# Altium PCB PCB1.PcbDoc (part 4 of 5)
Units mm, origin at the board's own origin, x right, y up, seen from the top; angles counter-clockwise.
Board outline 200 x 70 mm, 6 copper layers (Top Layer, Int1 (GND), Int2 (Sign), Int3 (Sign), Int4 (GND), Bottom Layer), stack 1.597 mm thick; 431 components, 275 nets, 1294 pads, 544 vias.
Unrouted connection lines stored in the file: 265.
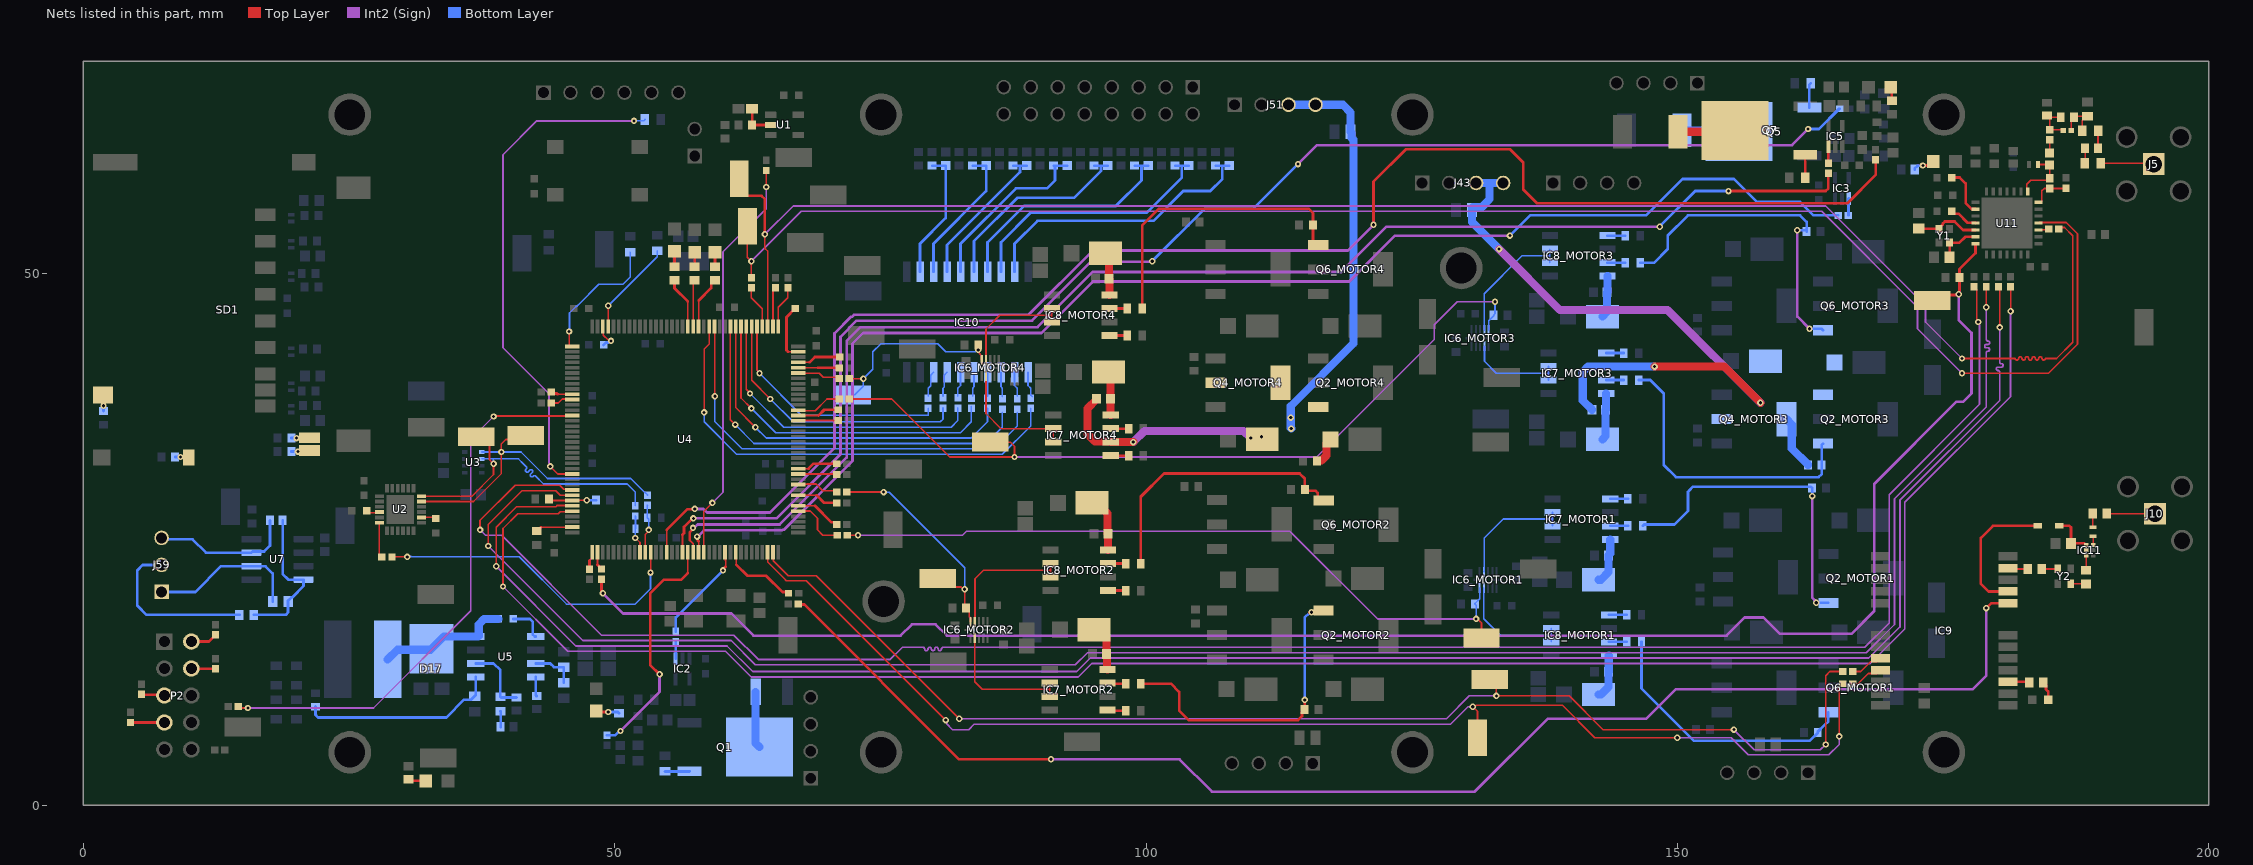
[diagram p8: the nets of this part, all layers, seen from the top]

## Via types
v1: diameter 0.6, hole 0.3, Top Layer to Bottom Layer, 518 vias
v2: diameter 0.5, hole 0.2, Top Layer to Bottom Layer, 20 vias
v3: diameter 0.4, hole 0.2, Top Layer to Bottom Layer, 6 vias

## Nets (pads, with @x,y where several pads share a name; then routed paths per layer and width w, separated by ;. In a path a pad name is that pad's centre, name@x,y a point inside that pad or via, vN(x,y) a via of type N, cw(c..) or ccw(c..) an arc to the next point about the centre after c; other vN are vias at no path point) (continued)
HOT_R_MOTOR3: C32_MOTOR3.2 C55_MOTOR3.1 D14_MOTOR3.2 D16_MOTOR3.1 IC7_MOTOR3.6 J43.03 J43.04 Q2_MOTOR3.3 Q4_MOTOR3.2 Q4_MOTOR3.4 R25_MOTOR3.1 | length 68.8
  Top Layer w0.762: v1(147.862,41.269) 154.41,41.269 v1(157.813,37.866)
  Int2 (Sign) w0.762: v1(133.223,52.324) 138.938,46.609 149.07,46.609 v1(157.813,37.866)
  Bottom Layer w0.762: C32_MOTOR3.2@130.671,56.007 130.683,55.995 130.683,54.864 v1(133.223,52.324) ; C32_MOTOR3.2@130.671,56.207 130.765,56.301 131.612,56.301 132.334,57.023 132.334,58.547 ; J43.03@131.064,58.547 132.334,58.547 ; J43.04@133.604,58.547 132.334,58.547 ; C55_MOTOR3.1@141.956,37.211 141.956,37.236 141.097,38.095 141.097,40.767 141.605,41.275 IC7_MOTOR3.6@143.301,41.275 147.856,41.275 v1(147.862,41.269) ; Q4_MOTOR3.4@160.276,36.322 160.764,35.834 160.764,33.554 162.276,32.042 R25_MOTOR3.1@162.276,32.004
HOT_R_MOTOR4: C32_MOTOR4.2 C55_MOTOR4.1 D14_MOTOR4.2 D16_MOTOR4.1 IC7_MOTOR4.6 J51.03 J51.04 Q2_MOTOR4.3 Q4_MOTOR4.2 Q4_MOTOR4.4 R25_MOTOR4.1 | length 62.7
  Top Layer w0.762: C55_MOTOR4.1@95.362,38.227 95.362,38.202 94.488,37.328 94.488,34.925 95.194,34.219 96.636,34.219 IC7_MOTOR4.6@96.692,34.163 v1(98.806,34.163) ; v1(110.871,34.671) 110.871,34.484 D16_MOTOR4.1@110.938,34.417 ; R25_MOTOR4.1@116.093,32.385 116.093,32.423 116.099,32.429 116.521,32.429 117.001,32.909 117.001,34.048 D14_MOTOR4.2@117.37,34.417
  Int2 (Sign) w0.762: v1(98.806,34.163) 99.868,35.225 109.174,35.225 v1(109.855,34.544) 109.982,34.671 v1(110.871,34.671)
  Bottom Layer w0.762: J51.03@113.411,65.913 118.531,65.913 119.253,65.191 C32_MOTOR4.2@119.253,63.373 119.347,63.279 119.347,62.793 119.507,62.633 119.507,43.434 113.617,37.544 v1(113.617,36.469) 113.617,35.481 v1(113.665,35.433)
IBAT_FB: IC2.1 R71.2 | length 1.6
  Bottom Layer w0.254: IC2.1@55.738,13.777 55.738,15.364 R71.2@55.753,15.379
IBAT_MOTOR1_FB: IC3.1 R74.2 | length 1.6
  Bottom Layer w0.254: R74.2@166.083,55.499 166.107,55.523 166.107,57.065 IC3.1@166.131,57.089
IBAT_MOTOR2_FB: IC5.1 R77.2 | length 1.6
  Top Layer w0.254: R77.2@164.211,60.419 IC5.1@164.211,61.981
INT_IMU: R45.2 U2.12 | length 3.3
  Top Layer w0.156: U2.12@27.855,26.58 27.855,23.613 R45.2@28.1,23.368
LED_M12: R102.2 U4.90 | length 4.9
  Top Layer w0.156: U4.90@56.892,45.042 56.892,47.375
  Top Layer w0.254: R102.2@55.626,49.413 55.626,48.641 56.892,47.375
LED_M34: R101.2 U4.89 | length 4.4
  Top Layer w0.156: U4.89@57.392,45.042 R101.2@57.392,49.274
  Top Layer w0.254: R101.2@57.392,49.274 R101.2@57.531,49.413
LED_SEQ: R100.2 U4.88 | length 5
  Top Layer w0.156: U4.88@57.912,45.062 57.912,47.498
  Top Layer w0.254: 57.912,47.498 59.088,48.674 59.088,49.14 59.361,49.413 R100.2@59.436,49.413
MISO_RADIO: J42.1 R53.1 U4.75 | length 160.5
  Top Layer w0.156: v1(64.135,53.721) 64.135,52.406 64.392,52.149 U4.75@64.392,45.259 ; v1(176.784,42.037) 181.483,42.037 181.797,42.037 ccw(c181.955,42.037) 182.112,42.037 cw(c182.269,42.037) 182.426,42.037 ccw(c182.583,42.037) 182.74,42.037 cw(c182.898,42.037) 183.055,42.037 ccw(c183.212,42.037) 183.369,42.037 cw(c183.526,42.037) 183.683,42.037 ccw(c183.841,42.037) 183.998,42.037 cw(c184.155,42.037) 184.312,42.037 ccw(c184.469,42.037) 184.627,42.037 184.785,42.037 185.674,42.037 187.198,43.561 187.198,53.594 186.436,54.356 186.022,54.356 R53.1@185.895,54.229
  Top Layer w0.254: J42.1@61.722,58.928 61.722,58.103 62.485,57.34 63.818,57.34 64.135,57.023 v1(64.135,53.721)
  Int2 (Sign) w0.159: v1(64.135,53.721) 66.802,56.388 163.957,56.388 173.355,46.99 173.355,45.466 v1(176.784,42.037)
MOSI_RADIO: J50.1 R54.2 U11.18 | length 154.9
  Top Layer w0.156: J50.1@62.484,54.483 62.484,51.562 v1(62.865,51.181) R54.2@62.865,49.624 ; v1(176.784,40.64) 184.922,40.64 187.654,43.372 187.654,53.783 186.605,54.832 184.054,54.832 U11.18@184.004,54.782
  Int2 (Sign) w0.159: v1(62.865,51.181) 67.564,55.88 163.576,55.88 172.593,46.863 172.593,44.831 v1(176.784,40.64)
NetC3_1: C3.1 D17.3 L2.1 U5.8 | length 12.6
  Bottom Layer w0.762: L2.1@28.639,13.716 29.553,14.63 32.68,14.63 D17.3@32.766,14.716 33.925,15.875 U5.8@36.926,15.875 37.155,15.875 37.211,15.931 37.211,17.018 37.719,17.526 C3.1@39.051,17.526
NetC3_2: C3.2 U5.1 | length 3.5
  Bottom Layer w0.254: C3.2@40.451,17.526 42.037,17.526 42.291,17.272 42.291,16.073 42.489,15.875 U5.1@42.576,15.875
NetC5_1: C5.1 U2.20 | length 1.4
  Top Layer w0.156: U2.20@31.805,27.08 C5.1@33.031,27.08
  Top Layer w0.254: C5.1@33.031,27.08 C5.1@33.147,26.964
NetC6_1: C6.1 U2.10 | length 1.2
  Top Layer w0.156: C6.1@26.85,27.506 27.287,27.506 27.314,27.533 27.808,27.533 U2.10@27.855,27.58
  Top Layer w0.254: C6.1@26.67,27.686 C6.1@26.776,27.58
NetC17_2: C17.2 U4.106 | length 2.6
  Top Layer w0.156: U4.106@48.894,45.04 48.932,45.002 48.932,44.224 49.384,43.773 49.572,43.773 v1(49.657,43.688)
  Bottom Layer w0.254: C17.2@48.96,43.307 49.183,43.53 49.405,43.53 49.563,43.688 v1(49.657,43.688)
NetC18_2: C18.2 U4.71 | length 5.4
  Top Layer w0.156: 66.316,42.667 U4.71@67.267,42.667
  Top Layer w0.254: 66.316,42.667 66.167,42.816 66.167,45.912 C18.2@66.991,46.736
NetC30_2: C30.2 D12.1 IC11.4 IC11.5 | length 4.7
  Top Layer w0.165: IC11.5@188.468,23.995 IC11.4@188.468,24.467
  Top Layer w0.254: D12.1@185.912,26.289 186.885,26.289 187.034,26.14 C30.2@187.034,24.638 188.297,24.638 IC11.4@188.468,24.467
NetC33_1: C33.1 C38.1 L4.2 L5.1 | length 3.9
  Top Layer w0.156: C38.1@184.785,64.897 C38.1@184.947,64.735 ; C33.1@186.07,64.735 C38.1@184.947,64.735 ; L5.1@186.309,63.465 186.211,63.563 L4.2@185.039,63.563 185.039,64.643 C38.1@184.947,64.735
NetC33_2: C33.2 C39.2 L5.2 R41.1 | length 4.2
  Top Layer w0.156: L5.2@187.066,63.465 187.066,64.491 C33.2@187.31,64.735 187.402,64.827 C39.2@188.505,64.827 ; R41.1@188.099,63.465 188.099,64.421 C39.2@188.505,64.827 ; C39.2@188.595,64.827 C39.2@188.505,64.827
NetC34_1: C34.1 L6.2 U11.21 | length 3.7
  Top Layer w0.156: U11.21@184.004,56.732 184.229,56.732 184.301,56.804 184.301,57.809 184.514,58.022 186.517,58.022 L6.2@186.563,58.068
NetC34_2: C34.2 C37.2 L3.2 U11.22 | length 5.4
  Top Layer w0.156: U11.22@182.979,57.757 182.979,57.857 182.886,57.95 182.886,58.426 183.25,58.79 184.827,58.79 C34.2@185.039,59.002 C37.2@185.039,60.223 184.972,60.29 L3.2@183.94,60.29
NetC36_1: C36.1 R41.2 | length 1.7
  Top Layer w0.156: C36.1@189.576,61.814 189.576,63.442 R41.2@189.599,63.465
NetC36_2: C36.2 R42.1 | length 1.4
  Top Layer w0.156: R42.1@188.353,60.417 188.376,60.44 C36.2@188.376,61.814
NetC37_1: C37.1 L4.1 | length 1.2
  Top Layer w0.156: C37.1@185.039,61.373 L4.1@185.039,62.605
NetC40_2: C40.2 U11.6 Y1.3 | length 4
  Top Layer w0.254: C40.2@175.604,51.562 175.625,51.583 Y1.3@175.625,52.929 176.538,52.929 177.091,53.482 U11.6@178.054,53.482
NetC41_2: C41.2 U11.5 Y1.1 | length 6.1
  Top Layer w0.254: C41.2@172.72,54.266 172.757,54.229 Y1.1@174.625,54.229 174.625,54.279 174.973,54.627 174.973,54.739 175.165,54.931 176.097,54.931 176.896,54.132 U11.5@178.054,54.132
NetC46_1: C46.1 U11.4 | length 2.7
  Top Layer w0.254: C46.1@175.833,55.88 176.056,55.657 176.446,55.657 177.298,54.805 178.031,54.805 U11.4@178.054,54.782
NetC47_1: C47.1 U11.2 | length 4.5
  Top Layer w0.254: C47.1@175.833,59.055 176.564,59.055 177.129,58.49 177.129,56.67 177.694,56.105 178.031,56.105 U11.2@178.054,56.082
NetC53_2: C53.2 R107.1 U1.2 | length 3.3
  Top Layer w0.254: C53.2@62.935,65.532 62.944,65.523 R107.1@62.944,64.008 U1.2@64.677,64.008
NetC55_MOTOR1_2: C55_MOTOR1.2 D5_MOTOR1.1 IC7_MOTOR1.8 | length 4.4
  Bottom Layer w0.762: D5_MOTOR1.1@142.561,21.209 142.806,21.209 143.525,21.928 C55_MOTOR1.2@143.525,23.495 143.525,23.52 143.682,23.677 IC7_MOTOR1.8@143.682,25.019
NetC55_MOTOR2_2: C55_MOTOR2.2 D5_MOTOR2.1 IC7_MOTOR2.8 | length 4.5
  Top Layer w0.762: D5_MOTOR2.1@95.123,16.51 95.562,16.51 96.281,15.791 C55_MOTOR2.2@96.281,14.224 96.325,14.18 96.325,12.799 IC7_MOTOR2.8@96.375,12.749
NetC55_MOTOR3_2: C55_MOTOR3.2 D5_MOTOR3.1 IC7_MOTOR3.8 | length 4.5
  Bottom Layer w0.762: D5_MOTOR3.1@142.942,34.417 143.256,34.731 C55_MOTOR3.2@143.256,37.211 143.278,37.233 143.278,38.712 IC7_MOTOR3.8@143.301,38.735
NetC55_MOTOR4_2: C55_MOTOR4.2 D5_MOTOR4.1 IC7_MOTOR4.8 | length 4.2
  Top Layer w0.762: D5_MOTOR4.1@96.46,40.767 96.662,40.565 C55_MOTOR4.2@96.662,38.227 96.677,38.212 96.677,36.718 IC7_MOTOR4.8@96.692,36.703
NetC58_MOTOR1_2: C58_MOTOR1.2 D6_MOTOR1.1 IC8_MOTOR1.8 | length 4.2
  Bottom Layer w0.762: D6_MOTOR1.1@142.561,10.414 142.806,10.414 143.525,11.133 C58_MOTOR1.2@143.525,12.573 143.54,12.588 143.54,14.082 IC8_MOTOR1.8@143.555,14.097
NetC58_MOTOR2_2: C58_MOTOR2.2 D6_MOTOR2.1 IC8_MOTOR2.8 | length 5.3
  Top Layer w0.762: D6_MOTOR2.1@94.936,28.448 95.386,28.448 96.393,27.441 96.393,25.542 96.423,25.512 96.423,24.018 IC8_MOTOR2.8@96.438,24.003
NetC58_MOTOR3_2: C58_MOTOR3.2 D6_MOTOR3.1 IC8_MOTOR3.8 | length 4
  Bottom Layer w0.762: D6_MOTOR3.1@142.942,45.974 143.398,46.43 C58_MOTOR3.2@143.398,48.26 143.413,48.275 143.413,49.769 IC8_MOTOR3.8@143.428,49.784
NetC58_MOTOR4_2: C58_MOTOR4.2 D6_MOTOR4.1 IC8_MOTOR4.8 | length 4.1
  Top Layer w0.762: D6_MOTOR4.1@96.206,51.943 96.535,51.614 C58_MOTOR4.2@96.535,49.53 96.55,49.515 96.55,48.021 IC8_MOTOR4.8@96.565,48.006
NetC61_1: C61.1 R116.1 R117.1 U7.4 | length 14.3
  Bottom Layer w0.254: R117.1@16.042,17.907 19.05,17.907 19.267,18.124 R116.1@19.267,19.162 19.267,19.237 19.59,19.56 19.665,19.56 20.726,20.621 U7.4@20.726,21.225 19.288,21.225 18.761,21.752 C61.1@18.761,26.797
NetC61_2: C61.2 J59.03 U7.7 | length 13.4
  Bottom Layer w0.254: J59.03@7.366,25.146 7.493,25.019 10.287,25.019 11.541,23.765 U7.7@15.816,23.765 15.927,23.876 17.018,23.876 17.561,24.419 C61.2@17.561,26.797
NetC67_2: C67.2 R6.2 U5.6 | length 6.6
  Bottom Layer w0.254: U5.6@36.926,13.335 38.608,13.335 39.243,12.7 R6.2@39.243,10.2 39.318,10.125 C67.2@40.767,10.125
NetC68_1: C68.1 U5.4 | length 1.9
  Bottom Layer w0.254: U5.4@42.576,12.065 42.576,10.348 C68.1@42.672,10.252
NetC69_1: C69.1 R6.1 | length 1.5
  Bottom Layer w0.254: R6.1@39.243,8.85 39.278,8.815 C69.1@39.278,7.366
NetC77_2: C77.2 IC10.5 R154.1 | length 16.6
  Bottom Layer w0.254: IC10.5@82.55,50.191 82.55,52.832 87.757,58.039 90.678,58.039 91.44,58.801 91.44,60.056 R154.1@91.313,60.183 ; R154.1@91.44,60.183 C77.2@92.583,60.183
NetC78_2: C78.2 IC10.4 R153.1 | length 14.1
  Bottom Layer w0.254: IC10.4@81.28,50.191 81.28,52.705 88.138,59.563 88.138,60.183 ; R153.1@87.503,60.183 88.138,60.183 ; C78.2@88.773,60.183 88.138,60.183
NetC79_2: C79.2 IC10.3 R152.1 | length 13.3
  Bottom Layer w0.254: IC10.3@80.01,50.191 80.01,52.832 84.963,57.785 C79.2@84.963,60.183 R152.1@83.693,60.183
NetC80_2: C80.2 IC10.2 R151.1 | length 12.3
  Bottom Layer w0.254: IC10.2@78.74,50.191 78.74,52.832 81.153,55.245 C80.2@81.153,60.183 R151.1@79.883,60.183
NetC82_2: C82.2 IC10.9 R162.1 | length 27.2
  Bottom Layer w0.254: IC10.9@87.63,50.191 87.63,52.832 89.789,54.991 100.711,54.991 103.505,57.785 106.045,57.785 107.188,58.928 107.188,60.183 ; R162.1@106.553,60.183 107.188,60.183 ; C82.2@107.823,60.183 107.188,60.183
NetC83_2: C83.2 IC10.8 R161.1 | length 24.7
  Bottom Layer w0.254: IC10.8@86.36,50.191 86.36,52.959 89.154,55.753 100.076,55.753 103.378,59.055 103.378,60.183 ; R161.1@102.743,60.183 103.378,60.183 ; C83.2@104.013,60.183 103.378,60.183
NetC84_2: C84.2 IC10.7 R160.1 | length 22.3
  Bottom Layer w0.254: IC10.7@85.09,50.191 85.09,52.959 88.519,56.388 97.155,56.388 99.568,58.801 99.568,60.183 ; R160.1@98.933,60.183 99.568,60.183 ; C84.2@100.203,60.183 99.568,60.183
NetC85_2: C85.2 IC10.6 R159.1 | length 19.3
  Bottom Layer w0.254: IC10.6@83.82,50.191 83.82,53.086 87.884,57.15 93.218,57.15 95.758,59.69 95.758,60.183 ; R159.1@95.123,60.183 95.758,60.183 ; C85.2@96.393,60.183 95.758,60.183
NetD2_1: D2.1 R100.1 | length 1.4
  Top Layer w0.254: R100.1@59.436,50.663 D2.1@59.436,52.036
NetD3_1: D3.1 R101.1 | length 1.4
  Top Layer w0.254: R101.1@57.531,50.663 D3.1@57.531,52.036
NetD4_1: D4.1 R102.1 | length 1.5
  Top Layer w0.254: R102.1@55.626,50.663 D4.1@55.626,52.129
NetD12_2: D12.2 IC9.9 | length 13
  Top Layer w0.254: IC9.9@181.102,20.109 179.281,20.109 178.562,20.828 178.562,25.146 179.705,26.289 D12.2@183.912,26.289
NetD18_1: D18.1 R30.1 | length 2.2
  Top Layer w0.254: D18.1@48.26,8.856 48.353,8.763 v1(49.403,8.763)
  Bottom Layer w0.254: v1(49.403,8.763) 50.312,8.763 R30.1@50.419,8.656
NetD19_1: D19.1 R48.1 | length 1.7
  Top Layer w0.254: R48.1@30.607,2.423 30.744,2.286 D19.1@32.224,2.286
NetD20_1: D20.1 R49.1 | length 1.3
  Top Layer w0.254: D20.1@170.087,67.564 170.18,67.471 R49.1@170.18,66.274
NetD21_1: D21.1 R50.1 | length 2.1
  Top Layer w0.254: v1(173.101,60.198) 173.702,60.198 D21.1@174.083,60.579
  Bottom Layer w0.254: R50.1@172.329,59.817 172.329,59.892 172.602,60.165 173.068,60.165 v1(173.101,60.198)
NetDS1_1: DS1.1 R9.1 | length 1.9
  Top Layer w0.254: R9.1@184.419,11.557 184.692,11.284 184.692,10.895 184.9,10.687 DS1.1@184.9,9.906
NetF1_2: F1.2 Q1.2 | length 5.4
  Bottom Layer w0.762: F1.2@63.27,10.668 63.27,5.832 Q1.2@63.641,5.461
NetF2_2: F2.2 Q5.2 | length 5.4
  Bottom Layer w0.762: F2.2@150.443,63.5 155.688,63.5 Q5.2@155.815,63.373
NetF3_2: F3.2 Q7.2 | length 5.4
  Top Layer w0.762: F3.2@150.062,63.373 155.307,63.373 Q7.2@155.434,63.5
NetIC7_MOTOR1_5: IC7_MOTOR1.5 R110_MOTOR1.1 | length 1.7
  Bottom Layer w0.254: IC7_MOTOR1.5@143.682,28.829 R110_MOTOR1.1@145.35,28.829
NetIC7_MOTOR1_7: IC7_MOTOR1.7 R109_MOTOR1.1 | length 1.7
  Bottom Layer w0.254: IC7_MOTOR1.7@143.682,26.289 R109_MOTOR1.1@145.35,26.289
NetIC7_MOTOR2_5: IC7_MOTOR2.5 R110_MOTOR2.1 | length 1.8
  Top Layer w0.156: IC7_MOTOR2.5@96.375,8.939 IC7_MOTOR2.5@96.424,8.89
  Top Layer w0.254: IC7_MOTOR2.5@96.424,8.89 R110_MOTOR2.1@98.106,8.89
NetIC7_MOTOR2_7: IC7_MOTOR2.7 R109_MOTOR2.1 | length 1.8
  Top Layer w0.156: IC7_MOTOR2.7@96.375,11.479 IC7_MOTOR2.7@96.424,11.43
  Top Layer w0.254: IC7_MOTOR2.7@96.424,11.43 R109_MOTOR2.1@98.106,11.43
NetIC7_MOTOR3_5: IC7_MOTOR3.5 R110_MOTOR3.1 | length 1.7
  Bottom Layer w0.254: IC7_MOTOR3.5@143.301,42.545 R110_MOTOR3.1@144.969,42.545
NetIC7_MOTOR3_7: IC7_MOTOR3.7 R109_MOTOR3.1 | length 1.7
  Bottom Layer w0.254: IC7_MOTOR3.7@143.301,40.005 R109_MOTOR3.1@144.969,40.005
NetIC7_MOTOR4_5: IC7_MOTOR4.5 R110_MOTOR4.1 | length 1.7
  Top Layer w0.254: IC7_MOTOR4.5@96.692,32.893 R110_MOTOR4.1@98.36,32.893
NetIC7_MOTOR4_7: IC7_MOTOR4.7 R109_MOTOR4.1 | length 1.7
  Top Layer w0.254: IC7_MOTOR4.7@96.692,35.433 R109_MOTOR4.1@98.36,35.433
NetIC8_MOTOR1_5: IC8_MOTOR1.5 R114_MOTOR1.1 | length 1.7
  Bottom Layer w0.254: IC8_MOTOR1.5@143.555,17.907 R114_MOTOR1.1@145.223,17.907
NetIC8_MOTOR1_7: IC8_MOTOR1.7 R113_MOTOR1.1 | length 1.7
  Bottom Layer w0.156: IC8_MOTOR1.7@143.555,15.367 IC8_MOTOR1.7@143.574,15.386
  Bottom Layer w0.254: IC8_MOTOR1.7@143.574,15.386 R113_MOTOR1.1@145.228,15.386
NetIC8_MOTOR2_5: IC8_MOTOR2.5 R114_MOTOR2.1 | length 1.7
  Top Layer w0.254: IC8_MOTOR2.5@96.438,20.193 R114_MOTOR2.1@98.106,20.193
NetIC8_MOTOR2_7: IC8_MOTOR2.7 R113_MOTOR2.1 | length 1.7
  Top Layer w0.254: IC8_MOTOR2.7@96.438,22.733 R113_MOTOR2.1@98.106,22.733
NetIC8_MOTOR3_5: IC8_MOTOR3.5 R114_MOTOR3.1 | length 1.7
  Bottom Layer w0.254: IC8_MOTOR3.5@143.428,53.594 R114_MOTOR3.1@145.096,53.594
NetIC8_MOTOR3_7: IC8_MOTOR3.7 R113_MOTOR3.1 | length 1.7
  Bottom Layer w0.254: IC8_MOTOR3.7@143.428,51.054 R113_MOTOR3.1@145.096,51.054
NetIC8_MOTOR4_5: IC8_MOTOR4.5 R114_MOTOR4.1 | length 1.7
  Top Layer w0.254: IC8_MOTOR4.5@96.565,44.196 R114_MOTOR4.1@98.233,44.196
NetIC8_MOTOR4_7: IC8_MOTOR4.7 R113_MOTOR4.1 | length 1.7
  Top Layer w0.254: IC8_MOTOR4.7@96.565,46.736 R113_MOTOR4.1@98.233,46.736
NetIC9_3: IC9.3 R9.2 | length 2
  Top Layer w0.254: IC9.3@181.102,11.609 183.067,11.609 R9.2@183.119,11.557
NetIC9_8: IC9.8 R33.2 | length 132.2
  Top Layer w0.254: R33.2@67.277,18.923 67.318,18.882 67.859,18.882 82.423,4.318 v1(91.059,4.318) ; v1(179.07,18.542) 179.099,18.542 179.566,19.009 IC9.8@181.102,19.009
  Int2 (Sign) w0.254: v1(91.059,4.318) 103.162,4.318 106.21,1.27 130.937,1.27 137.795,8.128 147.066,8.128 149.86,10.922 177.8,10.922 179.07,12.192 v1(179.07,18.542)
NetIC9_11: IC9.11 R20.2 | length 2
  Top Layer w0.156: IC9.11@181.102,22.309 181.186,22.225 R20.2@182.992,22.225 R20.2@182.908,22.309
NetIC9_20: IC9.20 R8.2 | length 3.1
  Top Layer w0.156: R8.2@166.497,12.573 167.259,12.573 168.173,13.487 168.78,13.487 IC9.20@169.102,13.809
NetIC9_21: IC9.21 R19.2 | length 3.1
  Top Layer w0.156: R19.2@166.497,11.43 167.005,11.43 167.962,12.387 168.78,12.387 IC9.21@169.102,12.709
NetIC10_11: IC10.11 R127.1 | length 2.4
  Bottom Layer w0.156: IC10.11@88.9,40.741 88.9,39.497 89.154,39.243 89.154,38.584 R127.1@89.281,38.457
NetIC10_12: IC10.12 R126.1 | length 2.4
  Bottom Layer w0.156: IC10.12@87.63,40.741 87.63,39.497 87.884,39.243 R126.1@87.884,38.469
NetIC10_13: IC10.13 R125.1 | length 2.3
  Bottom Layer w0.156: IC10.13@86.36,40.741 86.36,39.37 86.487,39.243 R125.1@86.487,38.457
NetIC10_14: IC10.14 R124.1 | length 2.3
  Bottom Layer w0.156: R124.1@85.09,38.469 IC10.14@85.09,40.741
NetIC10_15: IC10.15 R118.1 | length 2.3
  Bottom Layer w0.156: R118.1@83.693,38.469 83.693,39.243 83.82,39.37 IC10.15@83.82,40.741
NetIC10_16: IC10.16 R85.1 | length 2.4
  Bottom Layer w0.156: R85.1@82.296,38.481 82.296,39.243 82.55,39.497 IC10.16@82.55,40.741
NetIC10_17: IC10.17 R84.1 | length 2.4
  Bottom Layer w0.156: R84.1@80.899,38.481 80.899,39.243 81.008,39.352 81.008,40.469 IC10.17@81.28,40.741
NetIC10_18: IC10.18 R83.1 | length 2.5
  Bottom Layer w0.156: R83.1@79.502,38.481 79.502,39.243 79.738,39.479 79.738,40.469 IC10.18@80.01,40.741
NetIC11_3: IC11.3 L1.2 | length 0.8
  Top Layer w0.156: L1.2@189.103,25.312 189.144,25.271 IC11.3@189.144,24.495
NetIC11_6: IC11.6 R21.1 | length 1.4
  Top Layer w0.156: R21.1@188.468,22.113 IC11.6@188.468,23.495
NetJ5_1: J5.1 R42.2 | length 5
  Top Layer w0.156: R42.2@189.853,60.417 194.726,60.417 J5.1@194.818,60.325
NetJ10_1: J10.1 R23.1 | length 4.6
  Top Layer w0.156: R23.1@190.388,27.432 J10.1@194.945,27.432
NetJ59_01: J59.01 R116.2 U7.6 | length 14.4
  Bottom Layer w0.254: J59.01@7.366,20.066 10.541,20.066 12.97,22.495 U7.6@15.816,22.495 15.834,22.477 17.147,22.477 17.817,21.807 R116.2@17.817,19.162
NetJ59_02: J59.02 R117.2 | length 15.8
  Bottom Layer w0.254: J59.02@7.366,22.606 5.588,22.606 5.08,22.098 5.08,18.796 5.969,17.907 R117.2@14.692,17.907
NetJ70_1: J70.1 R28.2 U2.24 U3.3 | length 30.9
  Top Layer w0.156: U2.24@31.805,29.08 36.573,29.08 38.608,31.115 v1(38.608,32.131) 38.23,32.509 38.23,33.859 37.418,34.671 J70.1@36.957,34.671
  Bottom Layer w0.156: U3.3@37.503,32.583 38.537,32.583 ; v1(38.608,32.131) 38.577,32.162 38.577,32.543 38.537,32.583 ; R28.2@51.943,28.161 51.943,29.464 51.181,30.226 43.307,30.226 42.569,30.964 ccw(c42.458,30.853) 42.346,30.964 42.321,30.939 cw(c42.21,31.05) 42.099,30.939 cw(c42.21,31.05) 42.099,31.161 42.246,31.308 ccw(c42.135,31.42) 42.246,31.531 ccw(c42.135,31.42) 42.024,31.531 41.877,31.384 cw(c41.765,31.495) 41.654,31.384 cw(c41.765,31.495) 41.654,31.606 41.68,31.631 ccw(c41.568,31.742) 41.68,31.853 41.402,32.131 40.95,32.583 38.537,32.583
NetJ71_1: J71.1 R19.1 U4.34 | length 121
  Top Layer w0.156: U4.34@64.392,23.792 64.392,22.893 65.949,21.336 65.959,21.336 66.162,21.134 68.02,21.134 74.955,14.199 v1(81.153,8.001) ; J71.1@131.445,6.604 J71.1@131.191,6.35 131.191,8.826 v1(130.746,9.271) 130.831,9.356 131.023,9.356 131.06,9.393 139.197,9.393 142.24,6.35 v1(149.987,6.35) ; v1(165.227,6.477) 165.227,11.11 165.275,11.158 165.275,11.183 165.522,11.43 R19.1@165.547,11.43
  Int2 (Sign) w0.159: v1(81.153,8.001) 81.237,7.917 81.237,7.663 81.788,7.112 83.312,7.112 83.82,7.62 128.651,7.62 130.302,9.271 v1(130.746,9.271) ; v1(149.987,6.35) 155.067,6.35 156.669,4.748 164.26,4.748 165.227,5.715 v1(165.227,6.477)
NetJ72_1: J72.1 R26.2 U2.23 U3.4 | length 31.3
  Top Layer w0.156: U2.23@31.805,28.58 36.718,28.58 39.346,31.208 v1(39.346,33.233) 39.346,34.012 39.751,34.417 41.275,34.417 J72.1@41.656,34.798
  Bottom Layer w0.156: U3.4@37.503,33.233 v1(39.346,33.233) 41.189,33.233 43.688,30.734 51.529,30.734 52.814,29.449 52.839,29.449 53.086,29.202 R26.2@53.086,29.177
NetJ73_1: J73.1 R8.1 U4.35 | length 119.2
  Top Layer w0.156: U4.35@64.892,23.792 64.939,23.745 64.939,23.002 66.351,21.59 68.961,21.59 v1(82.423,8.128) ; J73.1@132.334,11.811 132.969,11.176 v1(132.969,10.287) 139.827,10.287 143.002,7.112 v1(155.321,7.112) ; v1(163.957,5.715) 163.957,12.192 164.338,12.573 R8.1@165.547,12.573
  Int2 (Sign) w0.159: v1(82.423,8.128) 128.27,8.128 130.429,10.287 v1(132.969,10.287) ; v1(155.321,7.112) 157.226,5.207 163.449,5.207 v1(163.957,5.715)
NetL1_1: L1.1 R23.2 | length 1.3
  Top Layer w0.156: R23.2@189.088,27.432 189.088,26.177 L1.1@189.103,26.162
NetP2_2: P2.2 R47.1 | length 2.6
  Top Layer w0.254: P2.2@10.171,15.401 11.837,15.401 12.446,16.01 R47.1@12.446,16.035
NetP2_4: P2.4 R38.1 | length 2.3
  Top Layer w0.254: P2.4@10.171,12.861 10.188,12.844 12.429,12.844 R38.1@12.446,12.827
NetP2_5: P2.5 R10.1 | length 2.2
  Top Layer w0.254: R10.1@5.461,10.447 5.524,10.384 7.568,10.384 P2.5@7.631,10.321
NetP2_7: P2.7 R37.1 | length 3.2
  Top Layer w0.254: R37.1@4.445,7.78 P2.7@7.631,7.781
NetQ1_1: Q1.1 R5.2 | length 2.3
  Bottom Layer w0.254: R5.2@54.737,3.175 57.035,3.175 Q1.1@57.041,3.181
NetQ5_1: Q5.1 R96.2 | length 2.4
  Bottom Layer w0.254: Q5.1@162.415,65.653 162.415,67.8 R96.2@162.56,67.945
NetQ7_1: Q7.1 R97.2 | length 2.2
  Top Layer w0.254: Q7.1@162.034,61.22 162.034,59.061 R97.2@162.04,59.055
NetR1_1: R1.1 R4.2 U5.3 | length 4.2
  Bottom Layer w0.254: U5.3@42.576,13.335 43.942,13.335 44.286,12.991 R1.1@45.212,12.991 R4.2@45.212,11.52
NetR3_1: R3.1 R7.2 U5.5 | length 18.5
  Bottom Layer w0.254: R3.1@21.844,9.281 21.844,8.509 22.098,8.255 34.163,8.255 35.835,9.927 36.507,9.927 R7.2@36.83,10.25 36.926,10.346 U5.5@36.926,12.065
NetR12_1: R12.1 SD1.10 | length 1.5
  Top Layer w0.254: SD1.10@1.862,38.592 1.905,38.548 v1(1.905,37.592)
  Bottom Layer w0.254: R12.1@1.905,37.099 v1(1.905,37.592)
NetR13_1: R13.1 SD1.11 | length 1.3
  Top Layer w0.254: v1(9.144,32.766) 9.872,32.766 SD1.11@9.917,32.721
  Bottom Layer w0.254: R13.1@8.651,32.766 v1(9.144,32.766)
NetR14_1: R14.1 SD1.12 | length 1.7
  Top Layer w0.254: v1(20.066,34.544) 21.259,34.544 SD1.12@21.287,34.571
  Bottom Layer w0.254: R14.1@19.573,34.544 v1(20.066,34.544)
NetR15_1: R15.1 SD1.13 | length 1.8
  Top Layer w0.254: v1(20.193,33.274) 21.189,33.274 SD1.13@21.287,33.372
  Bottom Layer w0.254: R15.1@19.573,33.274 v1(20.193,33.274)
NetR16_1: R16.1 R18.2 U4.138 | length 4.5
  Top Layer w0.156: R16.1@43.992,28.667 U4.138@46.017,28.667 ; U4.138@46.035,28.684 v1@47.353,28.684
  Top Layer w0.254: R16.1@43.83,28.829 R16.1@43.992,28.667 ; v1@47.353,28.684 v1(47.371,28.702)
  Bottom Layer w0.254: v1(47.371,28.702) R18.2@48.245,28.702
NetR17_1: R17.1 U4.143 | length 3.5
  Top Layer w0.156: R17.1@43.093,26.167 U4.143@46.017,26.167
  Top Layer w0.254: R17.1@42.672,25.796 42.722,25.796 R17.1@43.093,26.167
NetR20_1: R20.1 Y2.D1 | length 1.5
  Top Layer w0.156: R20.1@184.292,22.225 185.798,22.225 Y2.D1@185.801,22.228
NetR21_2: R21.2 Y2.B1 | length 1.5
  Top Layer w0.156: Y2.B1@187.001,20.828 188.453,20.828 R21.2@188.468,20.813
NetR22_1: R22.1 U4.28 | length 7.2
  Top Layer w0.156: U4.28@61.392,23.792 61.439,23.745 61.439,23.002 61.453,22.987 61.453,22.621
  Top Layer w0.254: 61.453,22.621 62.484,21.59 64.262,21.59 65.786,20.066 66.233,20.066 R22.1@66.36,19.939
NetR26_1: R26.1 R120.1 U4.11 | length 4.6
  Top Layer w0.156: U4.11@52.892,23.792 52.892,25.473 53.213,25.794 v1(53.213,25.908)
  Bottom Layer w0.156: R26.1@53.086,28.227 53.071,28.212 R120.1@53.071,27.051 53.213,26.909 v1(53.213,25.908)
NetR28_1: R28.1 R119.1 U4.10 | length 3.6
  Top Layer w0.156: v1(51.943,25.146) 51.958,25.146 52.392,24.712 U4.10@52.392,23.792
  Bottom Layer w0.156: v1(51.943,25.146) 51.943,26.02 R119.1@51.958,26.035 51.958,27.196 R28.1@51.943,27.211
NetR34_1: R34.1 U4.73 | length 4
  Top Layer w0.156: U4.73@65.392,45.042 65.405,45.055 65.405,46.863 66.294,47.752 R34.1@66.294,48.674
NetR35_1: R35.1 U4.2 | length 1.7
  Top Layer w0.156: 48.392,22.626 U4.2@48.392,23.792
  Top Layer w0.254: 48.392,22.626 48.768,22.25 R35.1@48.768,22.225
NetR36_1: R36.1 U4.1 | length 1.2
  Top Layer w0.156: 47.625,23.025 U4.1@47.892,23.292
  Top Layer w0.254: R36.1@47.625,22.192 47.625,23.025
NetR39_1: R39.1 U4.140 | length 186.3
  Top Layer w0.156: v1(39.497,20.574) 39.497,26.035 40.894,27.432 44.704,27.432 44.892,27.62 45.97,27.62 U4.140@46.017,27.667 ; v1(181.356,46.482) R39.1@181.356,48.768
  Int2 (Sign) w0.159: v1(39.497,20.574) 45.593,14.478 60.438,14.478 62.851,12.065 93.613,12.065 94.883,13.335 168.162,13.335 171.401,16.574 171.401,28.497 181.356,38.452 v1(181.356,46.482)
NetR40_1: R40.1 U4.139 | length 186.4
  Top Layer w0.156: v1(38.862,22.479) 38.862,26.162 40.767,28.067 44.45,28.067 44.577,28.194 45.99,28.194 U4.139@46.017,28.167 ; R40.1@180.213,48.768 180.34,48.641 v1(180.34,44.958)
  Int2 (Sign) w0.159: v1(38.862,22.479) 46.355,14.986 60.579,14.986 62.992,12.573 93.472,12.573 94.742,13.843 168.021,13.843 170.942,16.764 170.942,28.688 180.34,38.086 180.34,40.665 180.34,40.744 ccw(c180.181,40.744) 180.181,40.904 180.173,40.904 cw(c180.173,41.062) 180.014,41.062 cw(c180.173,41.062) 180.173,41.221 180.499,41.221 ccw(c180.499,41.379) 180.658,41.379 ccw(c180.499,41.379) 180.499,41.538 cw(c180.499,41.697) 180.34,41.697 180.34,43.307 v1(180.34,44.958)
NetR43_1: R43.1 U4.137 | length 186.4
  Top Layer w0.156: v1(38.1,24.384) 38.1,26.416 41.275,29.591 44.45,29.591 44.874,29.167 U4.137@46.017,29.167 ; v1(179.07,46.863) R43.1@179.07,48.768
  Int2 (Sign) w0.159: v1(38.1,24.384) 46.99,15.494 60.96,15.494 63.246,13.208 93.345,13.208 94.488,14.351 167.781,14.351 170.434,17.004 170.434,28.829 179.07,37.465 179.07,42.164 179.07,42.561 cw(c179.229,42.561) 179.229,42.72 ccw(c179.229,42.879) 179.388,42.879 ccw(c179.229,42.879) 179.229,43.037 179.07,43.037 cw(c179.07,43.196) 178.911,43.196 cw(c179.07,43.196) 179.07,43.355 179.229,43.355 ccw(c179.229,43.513) 179.388,43.513 ccw(c179.229,43.513) 179.229,43.672 cw(c179.229,43.831) 179.07,43.831 179.07,44.196 v1(179.07,46.863)
NetR44_1: R44.1 U4.136 | length 186.6
  Top Layer w0.156: v1(37.338,25.908) 37.338,26.797 40.64,30.099 44.831,30.099 45.216,29.714 45.97,29.714 U4.136@46.017,29.667 ; R44.1@177.927,48.768 178.174,48.521 178.174,45.72 178.308,45.586 v1(178.308,45.466)
  Int2 (Sign) w0.159: v1(37.338,25.908) 37.846,25.4 39.363,25.4 48.761,16.002 61.214,16.002 63.5,13.716 75.946,13.716 77.089,14.859 78.613,14.859 79.01,14.859 cw(c79.01,14.7) 79.169,14.7 79.169,14.69 ccw(c79.328,14.69) 79.328,14.531 ccw(c79.328,14.69) 79.486,14.69 79.486,14.702 cw(c79.645,14.702) 79.645,14.86 cw(c79.645,14.702) 79.804,14.702 ccw(c79.962,14.702) 79.962,14.543 ccw(c79.962,14.702) 80.121,14.702 cw(c80.279,14.702) 80.279,14.86 cw(c80.279,14.702) 80.438,14.702 80.438,14.7 ccw(c80.597,14.7) 80.597,14.541 ccw(c80.597,14.7) 80.755,14.7 cw(c80.914,14.7) 80.914,14.859 85.725,14.859 167.64,14.859 169.926,17.145 169.926,29.21 178.435,37.719 178.435,45.152 178.392,45.195 178.392,45.382 v1(178.308,45.466)
NetR45_1: R45.1 U4.12 | length 30.2
  Top Layer w0.156: R45.1@29.05,23.368 v1(30.48,23.368) ; v1(53.377,21.881) 53.385,21.889 53.385,23.785 U4.12@53.392,23.792
  Bottom Layer w0.156: v1(30.48,23.368) 30.522,23.41 30.812,23.41 30.854,23.368 41.021,23.368 45.466,18.923 51.943,18.923 53.377,20.357 v1(53.377,21.881)
NetR46_1: R46.1 U4.22 | length 38.4
  Top Layer w0.156: U4.22@58.392,23.792 58.392,27.638 v1(59.202,28.448) ; v1(64.262,58.166) R46.1@64.262,59.723
  Int2 (Sign) w0.159: v1(59.202,28.448) 60.198,29.444 60.198,52.07 64.262,56.134 v1(64.262,58.166)
NetR51_1: R51.1 U4.133 | length 48.3
  Top Layer w0.156: v1(43.942,31.877) 44.652,31.167 U4.133@46.017,31.167
  Int2 (Sign) w0.159: v1(43.942,31.877) 43.858,31.961 43.858,32.148 43.815,32.191 43.815,38.735 39.497,43.053 39.497,61.214 42.672,64.389 v1(51.816,64.389)
  Bottom Layer w0.156: v1(51.816,64.389) 52.729,64.389 R51.1@52.856,64.516
NetR53_2: R53.2 U11.17 | length 1
  Top Layer w0.156: U11.17@184.004,54.132 184.848,54.132 R53.2@184.945,54.229
NetR54_1: R54.1 U4.76 | length 4.1
  Top Layer w0.156: R54.1@62.865,48.674 62.865,47.752 63.892,46.725 U4.76@63.892,45.042
NetR55_1: R55.1 U4.74 | length 3.7
  Top Layer w0.156: U4.74@64.892,45.042 64.897,45.047 64.897,48.311 64.904,48.318 64.904,48.427 R55.1@65.151,48.674
NetR56_2: R56.2 U4.41 | length 5.3
  Top Layer w0.156: U4.41@67.267,27.667 67.286,27.686 68.397,27.686 68.403,27.68 68.412,27.68 69.088,27.003 69.088,25.908 69.596,25.4 R56.2@70.932,25.4
NetR57_2: R57.2 U4.42 | length 4.4
  Top Layer w0.156: U4.42@67.277,28.177 68.851,28.177
  Top Layer w0.254: 68.851,28.177 70.414,26.614 70.701,26.614 R57.2@70.899,26.416
NetR58_2: R58.2 U4.44 | length 3.9
  Top Layer w0.156: U4.44@67.267,29.167 69.004,29.167
  Top Layer w0.254: 69.004,29.167 69.723,28.448 R58.2@70.899,28.448
NetR59_1: R59.1 U4.118 | length 2.1
  Top Layer w0.156: 44.645,38.667 U4.118@46.017,38.667
  Top Layer w0.254: R59.1@44.036,38.862 44.163,38.735 44.577,38.735 44.645,38.667
NetR61_2: R61.2 U4.46 | length 4
  Top Layer w0.156: U4.46@67.267,30.167 67.314,30.214 68.057,30.214 68.069,30.226 68.961,30.226 69.596,29.591 70.772,29.591 R61.2@70.899,29.464
NetR62_2: R62.2 U4.49 | length 3.8
  Top Layer w0.156: U4.49@67.267,31.667 68.243,31.667
  Top Layer w0.254: 68.243,31.667 68.707,32.131 R62.2@70.899,32.131
NetR63_2: R63.2 U4.48 | length 3.7
  Top Layer w0.156: U4.48@67.267,31.167 R63.2@70.847,31.167
  Top Layer w0.254: R63.2@70.847,31.167 R63.2@70.899,31.115
NetR69_2: R69.2 U4.60 | length 4.3
  Top Layer w0.156: U4.60@67.267,37.167 67.314,37.12 68.87,37.12 69.977,38.227 R69.2@71.12,38.227
NetR70_2: R70.2 U4.59 | length 4
  Top Layer w0.156: U4.59@67.272,36.662 69.174,36.662
  Top Layer w0.254: 69.174,36.662 69.723,37.211 R70.2@71.059,37.211
NetR71_1: R71.1 U4.26 | length 9.4
  Top Layer w0.156: U4.26@60.392,23.792 60.439,23.745 60.439,23.002 60.445,22.995 60.445,22.439
  Top Layer w0.254: v1(60.198,22.098) 60.198,22.192 60.445,22.439
  Bottom Layer w0.254: R71.1@55.753,16.35 55.753,17.653 v1(60.198,22.098)
NetR72_2: R72.2 U4.58 | length 3.8
  Top Layer w0.156: U4.58@67.267,36.167 67.295,36.195 R72.2@71.026,36.195
NetR73_1: R73.1 U4.19 | length 22.6
  Top Layer w0.156: 56.892,21.84 U4.19@56.892,23.792
  Top Layer w0.254: v1(54.229,12.319) 53.34,13.208 53.34,19.939 54.61,21.209 56.261,21.209 56.892,21.84
  Int2 (Sign) w0.254: v1(50.546,6.985) 54.229,10.668 v1(54.229,12.319)
  Bottom Layer w0.254: R73.1@49.276,6.571 50.038,6.571 50.452,6.985 v1(50.546,6.985)
NetR74_1: R74.1 U4.21 | length 130.8
  Top Layer w0.156: U4.21@57.892,23.792 57.912,23.812 57.912,24.828
  Top Layer w0.254: v1(57.76,25.273) 57.826,25.207 57.826,24.914 57.912,24.828
  Int2 (Sign) w0.254: v1(57.76,25.273) 57.828,25.273 58.417,25.862 65.761,25.862 65.807,25.908 65.913,25.908 72.39,32.385 72.39,43.434 73.383,44.427 90.147,44.427 94.996,49.276 119.126,49.276 123.444,53.594 v1(134.239,53.594)
  Bottom Layer w0.254: v1(134.239,53.594) 136.144,55.499 147.066,55.499 150.495,58.928 155.321,58.928 157.48,56.769 161.544,56.769 162.814,55.499 R74.1@165.133,55.499
NetR76_1: R76.1 U4.18 | length 133.9
  Top Layer w0.156: U4.18@56.392,23.792 56.392,25.457
  Top Layer w0.254: 56.392,25.457 56.525,25.59 56.525,26.197 57.316,26.988 v1(57.406,26.988)
  Int2 (Sign) w0.254: v1(57.406,26.988) 65.215,26.988 71.247,33.02 71.247,44.069 72.771,45.593 89.281,45.593 94.834,51.146 v1@100.584,51.146 ; v1(114.3,60.325) 116.078,62.103 160.782,62.103 v1(162.306,63.627)
  Bottom Layer w0.254: v1(100.584,51.181) 105.537,56.134 110.109,56.134 v1(114.3,60.325) ; v1(162.306,63.627) 163.33,63.627 165.235,65.532 R76.1@165.26,65.532
NetR77_1: R77.1 U4.20 | length 130.5
  Top Layer w0.156: 57.079,24.918 57.386,24.61 57.386,23.797 U4.20@57.392,23.792
  Top Layer w0.254: 57.079,24.918 57.079,25.695 57.379,25.995 v1(57.379,26.088) ; v1(154.813,57.785) 163.957,57.785 164.211,58.039 R77.1@164.211,59.469
  Int2 (Sign) w0.254: v1(57.379,26.088) 57.469,26.088 57.797,26.416 65.532,26.416 71.836,32.72 71.836,43.663 73.153,44.981 89.789,44.981 94.973,50.165 118.364,50.165 122.64,54.441 122.851,54.441 122.855,54.437 v1(148.336,54.437)
  Bottom Layer w0.254: v1(148.336,54.437) 151.684,57.785 v1(154.813,57.785)
NetR78_1: R78.1 U4.15 | length 145.8
  Top Layer w0.156: U4.15@54.892,23.792 54.892,25.883
  Top Layer w0.254: 54.892,25.883 56.86,27.851 57.514,27.851 v1(57.541,27.878) ; v1(121.412,54.61) 121.412,58.674 124.46,61.722 134.239,61.722 135.509,60.452 135.509,57.912 136.779,56.642 165.989,56.642 168.656,59.309 R78.1@168.656,60.739
  Int2 (Sign) w0.254: v1(57.541,27.878) 58.367,27.878 58.703,27.542 64.626,27.542 70.693,33.609 70.693,44.404 72.263,45.974 72.369,45.974 72.542,46.147 88.946,46.147 94.996,52.197 118.999,52.197 v1(121.412,54.61)
NetR79_2: R79.2 U4.67 | length 4.1
  Top Layer w0.156: U4.67@67.267,40.667 67.294,40.64 69.245,40.64 69.626,40.259 70.993,40.259 R79.2@71.12,40.132
NetR80_2: R80.2 U4.68 | length 3.9
  Top Layer w0.156: U4.68@67.267,41.167 67.286,41.148 69.107,41.148
  Top Layer w0.254: 69.107,41.148 69.126,41.167 71.134,41.167 R80.2@71.153,41.148
NetR81_2: R81.2 U4.69 | length 4.1
  Top Layer w0.156: U4.69@67.267,41.667 68.337,41.667
  Top Layer w0.254: 68.337,41.667 68.834,42.164 R81.2@71.186,42.164
NetR83_2: R83.2 U4.77 | length 22.6
  Top Layer w0.156: U4.77@63.392,45.042 63.392,40.953 63.627,40.718 v1(63.627,40.64)
  Bottom Layer w0.156: v1(63.627,40.64) 67.564,36.703 79.499,36.703 79.502,36.706 R83.2@79.502,37.338
NetR84_2: R84.2 U4.78 | length 25.8
  Top Layer w0.156: U4.78@62.892,45.042 62.892,39.978 v1(64.643,38.227)
  Bottom Layer w0.156: v1(64.643,38.227) 66.802,36.068 80.645,36.068 80.899,36.322 R84.2@80.899,37.371
NetR85_2: R85.2 U4.79 | length 28.8
  Top Layer w0.156: U4.79@62.392,45.042 62.392,39.145 62.738,38.799 v1(62.738,38.735)
  Bottom Layer w0.156: v1(62.738,38.735) 65.913,35.56 81.661,35.56 82.296,36.195 R85.2@82.296,37.371
NetR103_2: R103.2 U4.105 | length 9
  Top Layer w0.156: U4.105@49.392,45.042 49.398,45.048 49.398,46.985 v1(49.403,46.99)
  Bottom Layer w0.156: v1(49.403,46.99) 51.054,48.641 53.035,50.622 54.009,51.596 R103.2@54.009,52.153
NetR104_2: R104.2 U4.109 | length 12.8
  Top Layer w0.156: v1(45.72,44.577) 45.72,43.264 45.817,43.167 U4.109@46.017,43.167
  Bottom Layer w0.156: v1(45.72,44.577) 45.751,44.608 45.751,46.309 46.367,46.925 ccw(c46.101,47.498) 46.548,47.051 48.519,49.022 50.79,49.022 51.469,49.701 R104.2@51.469,52.026
NetR118_2: R118.2 U4.80 | length 31.6
  Top Layer w0.156: U4.80@61.892,45.042 61.892,38.311 v1(62.865,37.338)
  Bottom Layer w0.156: v1(62.865,37.338) 65.151,35.052 82.55,35.052 83.566,36.068 R118.2@83.566,37.538
NetR124_2: R124.2 U4.81 | length 34.4
  Top Layer w0.156: U4.81@61.392,45.042 61.392,37.414 v1(63.246,35.56)
  Bottom Layer w0.156: v1(63.246,35.56) 64.262,34.544 83.566,34.544 85.09,36.068 R124.2@85.09,37.338
NetR125_2: R125.2 U4.82 | length 37.3
  Top Layer w0.156: U4.82@60.892,45.042 60.892,36.263 v1(61.341,35.814)
  Bottom Layer w0.156: v1(61.341,35.814) 63.119,34.036 84.963,34.036 86.487,35.56 R125.2@86.487,36.957
NetR126_2: R126.2 U4.85 | length 40.7
  Top Layer w0.156: U4.85@59.392,45.042 59.414,45.02 59.414,38.503 v1(59.436,38.481)
  Bottom Layer w0.156: v1(59.436,38.481) 59.436,36.068 61.976,33.528 85.725,33.528 87.884,35.687 R126.2@87.884,36.969
NetR127_2: R127.2 U4.86 | length 43.9
  Top Layer w0.156: v1(58.42,36.957) 58.42,42.926 58.892,43.398 U4.86@58.892,45.042
  Bottom Layer w0.156: v1(58.42,36.957) 58.42,36.068 61.468,33.02 86.487,33.02 89.154,35.687 R127.2@89.154,37.338
NetR128_2: R128.2 U4.122 | length 52.3
  Top Layer w0.156: R128.2@14.572,9.271 14.699,9.144 v1(15.494,9.144) ; v1(38.608,36.576) 38.653,36.621 45.971,36.621 U4.122@46.017,36.667
  Int2 (Sign) w0.159: v1(15.494,9.144) 27.305,9.144 36.449,18.288 36.449,34.417 v1(38.608,36.576)
NetR129_2: R129.2 U4.119 | length 2.2
  Top Layer w0.156: R129.2@44.036,37.846 44.704,37.846 45.072,38.214 45.97,38.214 U4.119@46.017,38.167
NRST_RADIO: J48.1 R32.1 R35.2 U11.7 | length 168.4
  Top Layer w0.254: R35.2@48.768,21.275 48.768,20.16 48.895,20.033 v1(48.895,19.939) ; J48.1@173.99,47.498 174.491,47.999 176.396,47.999 v1(176.471,48.074) 176.545,48.148 R32.1@176.545,49.657 176.545,50.434 178.054,51.943 U11.7@178.054,52.832
  Int2 (Sign) w0.254: v1(48.895,19.939) 50.8,18.034 60.981,18.034 63.059,15.956 76.916,15.956 77.978,17.018 80.211,17.018 81.273,15.956 154.64,15.956 156.337,17.653 158.115,17.653 159.639,16.129 166.37,16.129 168.529,18.288 168.529,30.226 176.276,37.973 176.911,37.973 177.673,38.735 177.673,44.45 176.471,45.652 v1(176.471,48.074)
PWM_M1: IC6_MOTOR1.11 J13.1 R56.1 R112_MOTOR1.2 | length 68
  Top Layer w0.156: R56.1@71.882,25.4 v1(72.898,25.4) ; v1(131.064,17.526) 131.184,17.526 131.448,17.263 131.461,17.263 131.572,17.152 J13.1@131.572,15.748
  Int2 (Sign) w0.159: v1(72.898,25.4) 82.728,25.4 83.109,25.781 113.538,25.781 121.793,17.526 v1(131.064,17.526)
  Bottom Layer w0.156: v1(131.064,17.526) 131.064,18.811 R112_MOTOR1.2@130.952,18.923 130.952,18.973 131.396,19.417 IC6_MOTOR1.11@131.396,20.459
PWM_M1_CW_MOTOR1: IC6_MOTOR1.10 IC8_MOTOR1.2 IC8_MOTOR1.3 | length 11.2
  Bottom Layer w0.156: IC6_MOTOR1.10@131.796,20.459 131.796,20.062 131.796,17.612 cw(c131.573,17.606) 131.796,17.6 131.796,17.556 133.35,16.002 138.131,16.002 ; IC8_MOTOR1.2@138.131,15.367 138.131,16.002 ; IC8_MOTOR1.3@138.131,16.637 138.131,16.002
PWM_M1_CW_MOTOR2: IC6_MOTOR2.10 IC8_MOTOR2.2 IC8_MOTOR2.3 | length 13
  Top Layer w0.156: IC6_MOTOR2.10@83.913,17.018 83.913,21.302 84.709,22.098 91.014,22.098 ; IC8_MOTOR2.3@91.014,21.463 91.014,22.098 ; IC8_MOTOR2.2@91.014,22.733 91.014,22.098
PWM_M1_CW_MOTOR3: IC6_MOTOR3.10 IC8_MOTOR3.2 IC8_MOTOR3.3 | length 12.4
  Bottom Layer w0.156: IC6_MOTOR3.10@131.845,44.692 131.826,44.711 131.826,48.133 135.382,51.689 138.004,51.689 ; IC8_MOTOR3.2@138.004,51.054 138.004,51.689 ; IC8_MOTOR3.3@138.004,52.324 138.004,51.689
PWM_M1_CW_MOTOR4: IC6_MOTOR4.10 IC8_MOTOR4.2 IC8_MOTOR4.3 | length 10.9
  Top Layer w0.156: IC6_MOTOR4.10@84.944,41.898 84.944,44.812 86.233,46.101 91.141,46.101 ; IC8_MOTOR4.3@91.141,45.466 91.141,46.101 ; IC8_MOTOR4.2@91.141,46.736 91.141,46.101
PWM_M1_NCW_MOTOR1: IC6_MOTOR1.2 IC7_MOTOR1.2 IC7_MOTOR1.3 | length 11.6
  Bottom Layer w0.156: IC6_MOTOR1.2@131.796,21.959 131.818,21.981 131.818,25.138 133.604,26.924 138.258,26.924 ; IC7_MOTOR1.2@138.258,26.289 138.258,26.924 ; IC7_MOTOR1.3@138.258,27.559 138.258,26.924
PWM_M1_NCW_MOTOR2: IC6_MOTOR2.2 IC7_MOTOR2.2 IC7_MOTOR2.3 | length 13.3
  Top Layer w0.156: IC6_MOTOR2.2@83.912,15.726 IC6_MOTOR2.2@83.89,15.748 83.89,11.614 84.582,10.922 90.873,10.922 90.951,10.844 ; IC7_MOTOR2.3@90.951,10.209 90.951,10.844 ; IC7_MOTOR2.2@91.388,11.479 IC7_MOTOR2.2@90.951,11.479 90.951,10.844
PWM_M1_NCW_MOTOR3: IC6_MOTOR3.2 IC7_MOTOR3.2 IC7_MOTOR3.3 | length 9.2
  Bottom Layer w0.156: IC6_MOTOR3.2@131.845,43.192 131.845,41.764 132.969,40.64 137.877,40.64 ; IC7_MOTOR3.2@137.877,40.005 137.877,40.64 ; IC7_MOTOR3.3@137.877,41.275 137.877,40.64
PWM_M1_NCW_MOTOR4: IC6_MOTOR4.2 IC7_MOTOR4.2 IC7_MOTOR4.3 | length 11.7
  Top Layer w0.156: IC6_MOTOR4.2@84.944,40.398 84.944,36.849 86.36,35.433 IC7_MOTOR4.2@91.268,35.433 IC7_MOTOR4.3@91.268,34.163
PWM_M2: IC6_MOTOR2.11 J24.1 R61.1 R112_MOTOR2.2 | length 22.3
  Top Layer w0.156: R61.1@71.849,29.464 v1(75.311,29.464) ; J24.1@80.391,21.336 81.203,20.524 82.607,20.524 82.811,20.32 v1(82.931,20.32) 82.931,18.684 83.37,18.245 83.37,17.743 83.49,17.623 IC6_MOTOR2.11@83.49,17.248
  Bottom Layer w0.156: v1(75.311,29.464) 75.338,29.437 75.846,29.437 82.931,22.352 v1(82.931,20.32)
PWM_M3: IC6_MOTOR3.11 J35.1 R69.1 R112_MOTOR3.2 | length 76.3
  Top Layer w0.156: R69.1@72.07,38.227 76.073,38.227 81.534,32.766 v1(87.63,32.766) 87.63,33.782 87.249,34.163 J35.1@85.344,34.163
  Int2 (Sign) w0.159: v1(87.63,32.766) 116.078,32.766 127.127,43.815 127.127,45.212 129.286,47.371 v1(132.842,47.371)
  Bottom Layer w0.156: IC6_MOTOR3.11@132.245,44.692 132.245,45.581 132.715,46.051 R112_MOTOR3.2@132.715,46.101 132.842,46.228 v1(132.842,47.371)
PWM_M4: IC6_MOTOR4.11 J46.1 R79.1 R112_MOTOR4.2 | length 18.5
  Top Layer w0.156: R79.1@72.07,40.132 v1(73.406,40.132) ; R112_MOTOR4.2@84.216,43.307 84.216,42.845 v1(84.211,42.84) 84.296,42.755 84.296,42.521 84.522,42.295 84.522,41.92 IC6_MOTOR4.11@84.544,41.898
  Bottom Layer w0.156: J46.1@72.39,38.608 72.594,38.608 73.406,39.42 v1(73.406,40.132) 74.295,41.021 74.295,42.672 75.057,43.434 80.391,43.434 81.15,42.675 83.926,42.675 84.091,42.84 v1(84.211,42.84)
PWM_TR_HL_MOTOR1: Q6_MOTOR1.1 R24_MOTOR1.2 R113_MOTOR1.2 | length 25.7
  Bottom Layer w0.254: R113_MOTOR1.2@146.628,15.386 146.628,10.971 151.55,6.05 162.452,6.05 163.21,6.808 163.21,6.908 163.826,7.525 163.841,7.525 164.209,7.893 Q6_MOTOR1.1@164.209,8.749
PWM_TR_HL_MOTOR2: Q6_MOTOR2.1 R24_MOTOR2.2 R113_MOTOR2.2 | length 26.2
  Top Layer w0.254: R113_MOTOR2.2@99.506,22.733 99.506,29.021 101.691,31.206 114.463,31.206 114.95,30.719 R24_MOTOR2.2@114.95,29.718 115.077,29.591 115.958,29.591 116.152,29.396 116.152,29.037 116.5,28.689 Q6_MOTOR2.1@116.717,28.689
PWM_TR_HL_MOTOR3: Q6_MOTOR3.1 R24_MOTOR3.2 R113_MOTOR3.2 | length 31.4
  Int2 (Sign) w0.254: v1(161.29,54.102) 161.29,45.974 v1(162.433,44.831)
  Bottom Layer w0.254: R113_MOTOR3.2@146.496,51.054 147.828,51.054 149.098,52.324 149.098,53.594 151.003,55.499 161.544,55.499 162.164,54.879 162.164,54.102 R24_MOTOR3.2@162.164,53.975 162.164,54.025 R24_MOTOR3.2@162.062,54.127 ; v1(161.29,54.102) R24_MOTOR3.2@162.037,54.102 ; v1(162.433,44.831) 163.56,44.831 Q6_MOTOR3.1@163.701,44.69
PWM_TR_HL_MOTOR4: Q6_MOTOR4.1 R24_MOTOR4.2 R113_MOTOR4.2 | length 28
  Top Layer w0.254: R113_MOTOR4.2@99.633,46.736 99.633,54.548 101.219,56.134 115.294,56.134 115.712,55.716 R24_MOTOR4.2@115.712,54.61 115.712,53.067 116.06,52.719 Q6_MOTOR4.1@116.203,52.719
PWM_TR_HR_MOTOR1: Q2_MOTOR1.1 R25_MOTOR1.2 R109_MOTOR1.2 | length 30.7
  Int2 (Sign) w0.254: v1(162.687,29.083) 162.687,19.525 163.068,19.144 v1(163.068,19.05)
  Bottom Layer w0.254: R109_MOTOR1.2@146.75,26.289 146.877,26.416 149.733,26.416 151.003,27.686 151.003,29.488 151.152,29.637 151.487,29.972 162.545,29.972 R25_MOTOR1.2@162.672,29.845 162.679,29.838 162.679,29.091 v1(162.687,29.083) ; v1(163.068,19.05) 164.195,19.05 Q2_MOTOR1.1@164.209,19.036
PWM_TR_HR_MOTOR2: Q2_MOTOR2.1 R25_MOTOR2.2 R109_MOTOR2.2 | length 29.2
  Top Layer w0.254: R109_MOTOR2.2@99.506,11.43 102.362,11.43 103.124,10.668 103.124,8.89 104.013,8.001 114.3,8.001 114.672,8.373 114.672,8.769 R25_MOTOR2.2@114.92,9.017 114.927,9.024 114.927,9.898 v1(114.935,9.906) ; v1@115.38,18.095 115.504,18.095 v1(115.57,18.161) 116.57,18.161 Q2_MOTOR2.1@116.711,18.302
  Bottom Layer w0.254: v1(114.935,9.906) 114.935,17.65 v1@115.38,18.095
PWM_TR_HR_MOTOR3: Q2_MOTOR3.1 R25_MOTOR3.2 R109_MOTOR3.2 | length 28
  Bottom Layer w0.254: R109_MOTOR3.2@146.369,40.005 147.447,40.005 148.717,38.735 148.717,32.004 149.86,30.861 163.3,30.861 163.576,31.137 R25_MOTOR3.2@163.576,32.004 163.576,33.897 Q2_MOTOR3.1@163.701,34.022